# Altium PCB CPU-board-multi-Ethernnet.PcbDoc (part 3 of 3) (continued)
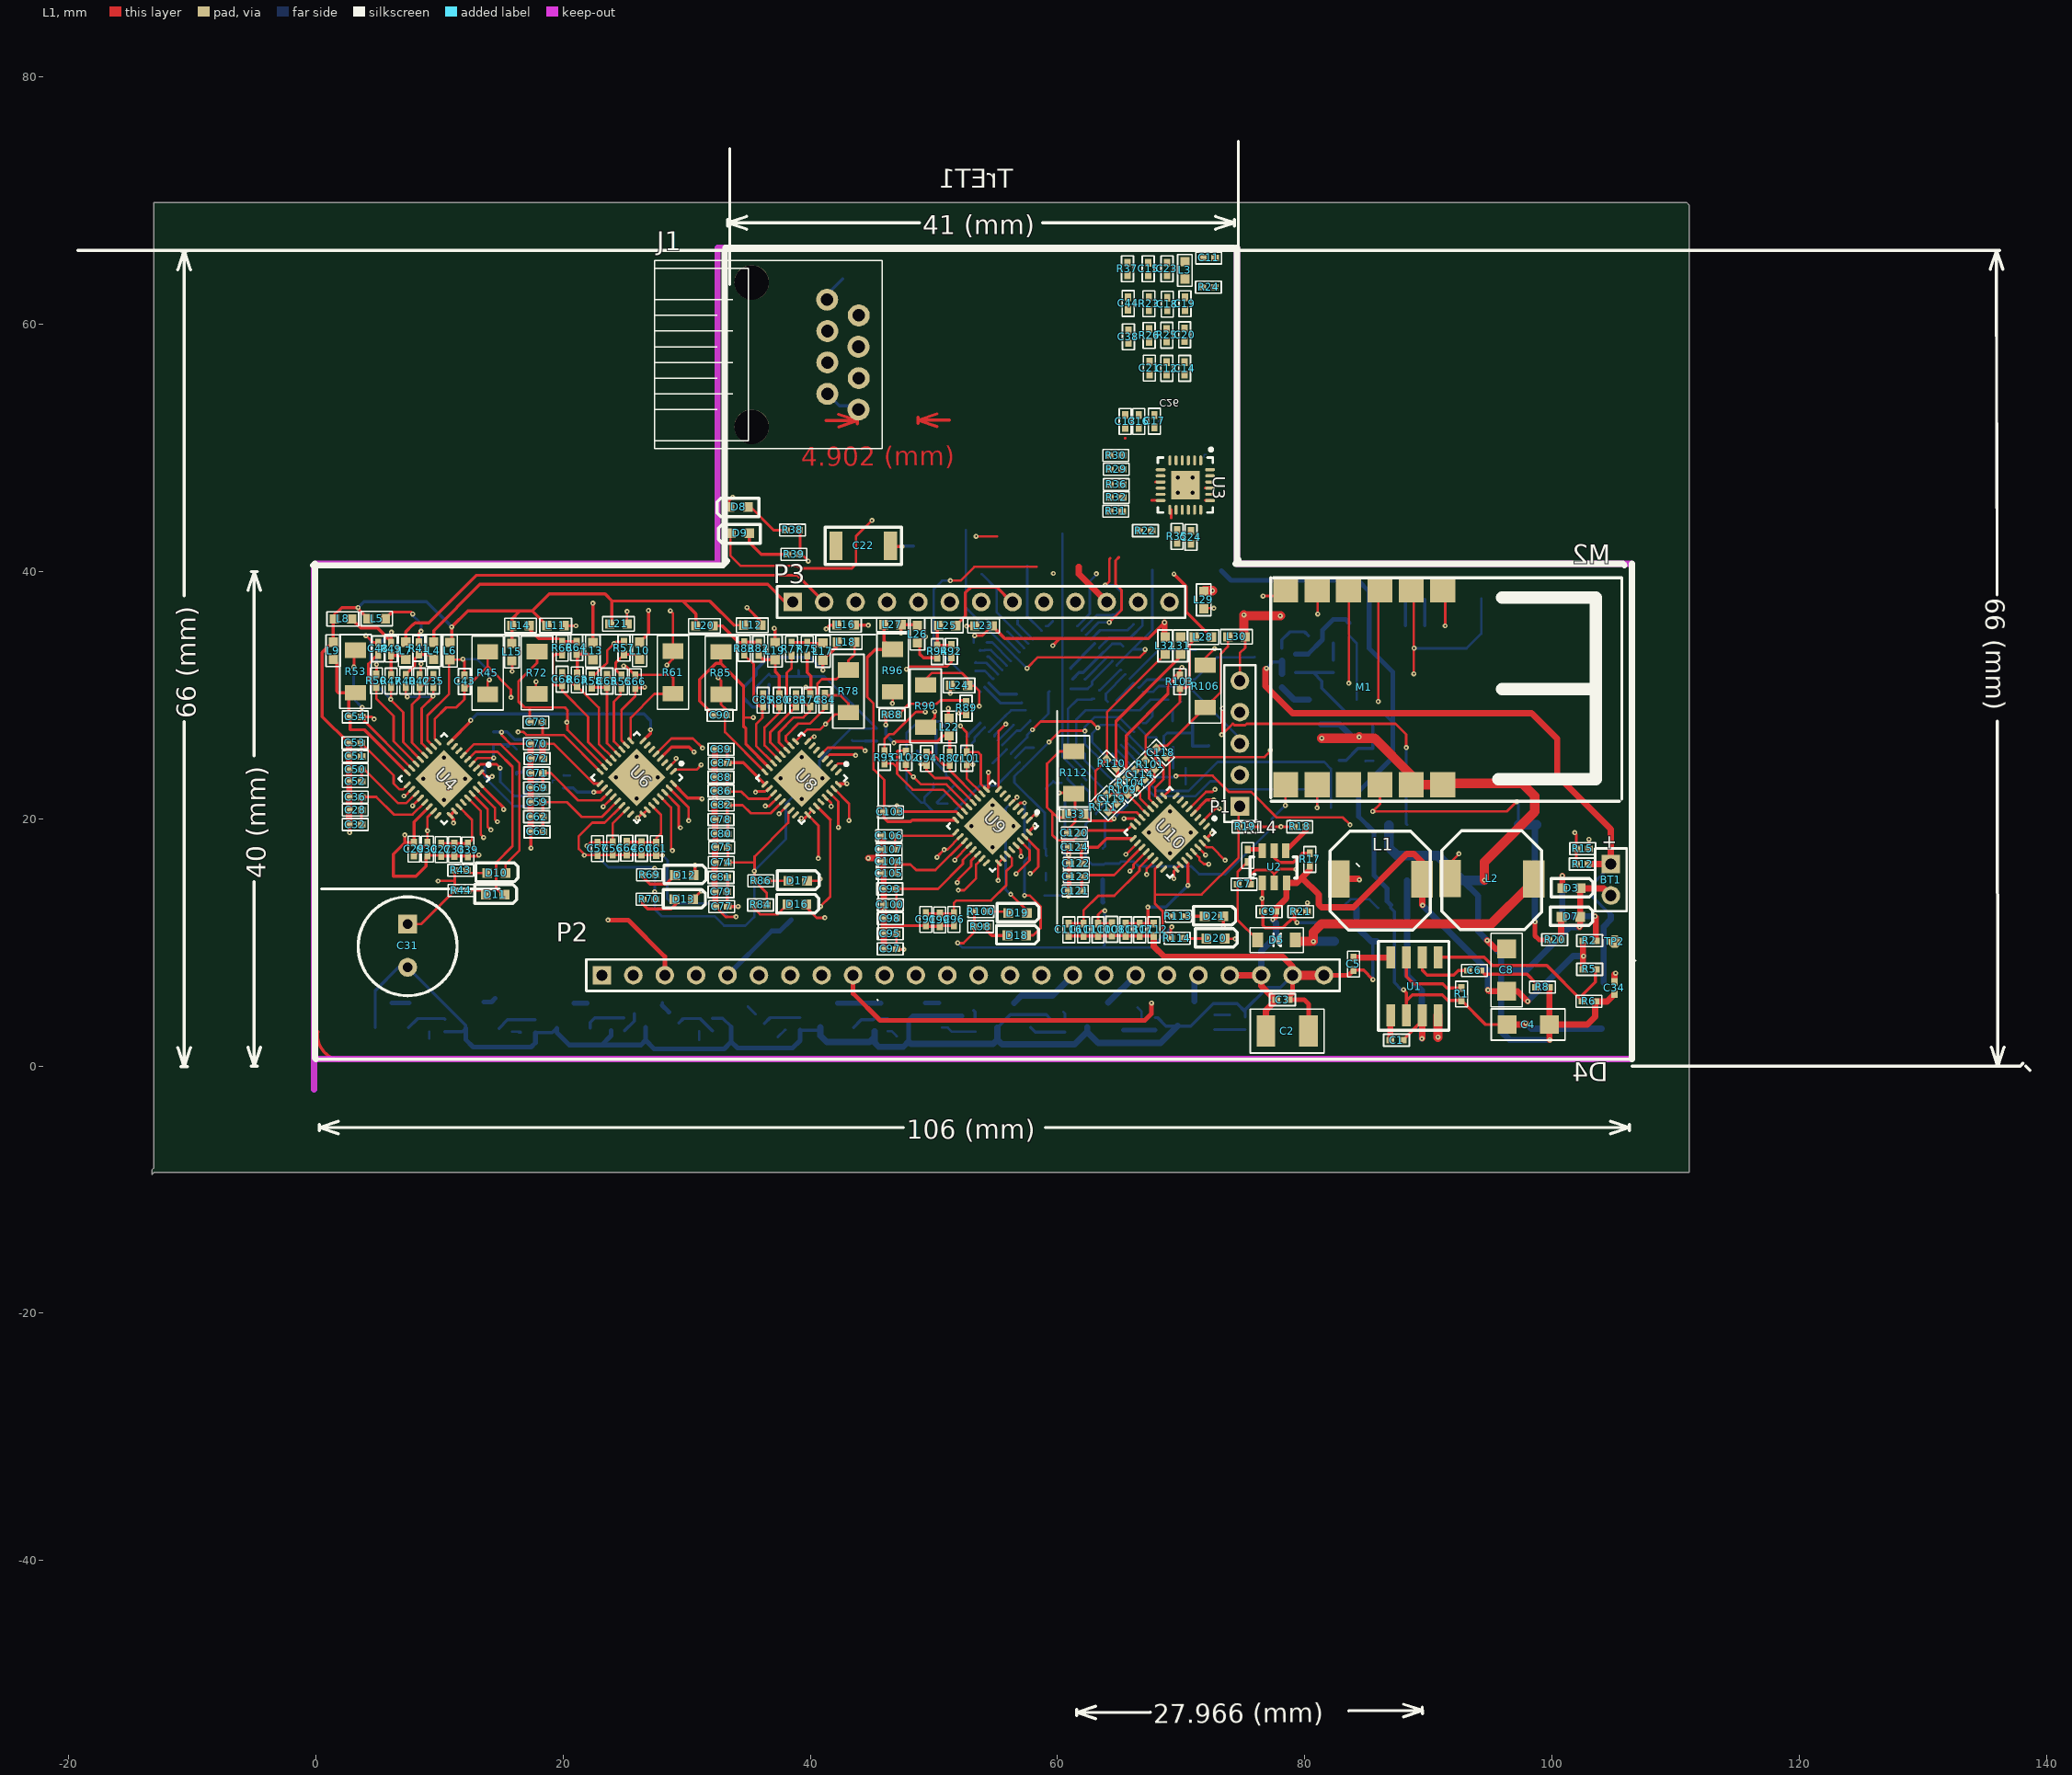
[diagram p0: L1 view]
## Nets (pads, with @x,y where several pads share a name; then routed paths per layer and width w, separated by ;. In a path a pad name is that pad's centre, name@x,y a point inside that pad or via, vN(x,y) a via of type N, cw(c..) or ccw(c..) an arc to the next point about the centre after c; other vN are vias at no path point) (continued)
NetR5_2: R5.2 R6.2 U1.5 | length 16.2
  L1 w0.254: U1.5@90.78,8.788 94.513,8.788 95.174,8.128 99.593,8.128 R6.2@102.489,5.232 102.489,5.766 103.53,6.807 R5.2@103.53,7.823
NetR12_1: R12.1 R15.2 U5.22 | length 42.5
  L1 w0.203: v1(69.576,23.449) 69.621,23.495 72.542,23.495 73.863,22.174 75.667,22.174 77.724,20.117 83.083,20.117 v3@83.668,19.533 ; v3(101.854,18.872) 101.981,18.745 R15.2@101.981,17.577 101.981,16.358 R12.1@101.956,16.332
  L3 w0.203: v3(83.668,19.507) 83.693,19.533 101.194,19.533 v3(101.854,18.872)
  L4 w0.203: U5.22@65.133,25.966 66.04,25.06 66.025,25.044 v6(65.989,25.044) 67.666,23.368 69.494,23.368 v1(69.576,23.449)
NetR13_2: R13.2 U5.33 | length 28
  L3 w0.203: v5(60.3,22.911) 60.579,22.631 69.469,22.631 71.755,24.917 84.658,24.917 v5(84.912,24.663)
  L4 w0.203: U5.33@59.052,22.431 59.662,23.04 59.792,22.911 v5(60.3,22.911) ; v5(84.912,24.663) 84.938,24.689 R13.2@85.522,24.689
NetR14_2: R14.2 U2.6 | length 1.1
  L1 w0.381: R14.2@75.387,17.526 U2.6@76.453,17.526
NetR17_1: R17.1 U2.5 | length 3.9
  L1 w0.254: U2.5@77.521,17.408 77.521,16.891 77.953,16.459 79.07,16.459 79.832,17.221 R17.1@80.416,17.221
NetR18_1: R18.1 R19.2 R21.2 | length 11.6
  L1 w0.254: R19.2@75.667,19.355 v2(78.08,19.355) R18.1@79.096,19.355 ; R21.2@80.188,12.497 80.188,13.183 v2(80.213,13.208)
  L2 w0.254: v2(78.08,19.355) 78.969,18.466 79.604,18.466 80.213,17.856 v2(80.213,13.208)
NetR18_2: R18.2 U2.4 | length 2.3
  L1 w0.381: U2.4@78.471,17.408 80.112,19.049
NetR22_1: R22.1 U3.12 U5.49 | length 19.3
  L1 w0.203: v1(51.333,39.268) 52.146,39.268 53.264,40.386 58.318,40.386 ; 67.609,45.765 U3.12@67.952,45.765
  L4 w0.203: v1(51.333,39.268) 50.673,39.268 49.987,38.583 49.987,34.041 U5.49@53.749,30.28
NetR28_2: R28.2 TrET1.11
NetR29_1: R29.1 U3.8
NetR29_2: R29.2 U5.61 | length 8.3
  L3 w0.203: 55.042,41.148 55.042,36.982 55.982,36.043 v5(56.769,36.043)
  L4 w0.203: v5(56.769,36.043) 56.769,35.745 U5.61@57.992,34.522
NetR30_1: R30.1 U3.7
NetR30_2: R30.2 U5.60 | length 9
  L2 w0.203: v6@53.848,39.802 53.848,40.945 54.285,41.382
  L4 w0.203: v6@53.873,39.802 55.067,38.608 55.067,36.739 U5.60@57.638,34.169
  other v6: 53.873,39.853
NetR31_1: R31.1 U3.11
NetR31_2: R31.2 U5.44 | length 16.5
  L2 w0.203: 55.728,40.132 57.556,38.303 57.556,34.728 55.313,32.484 55.313,29.904 56.439,28.778 v6(56.439,27.584)
  L4 w0.203: U5.44@55.163,26.32 55.174,26.32 v6(56.439,27.584)
NetR32_1: R32.1 U3.10
NetR32_2: R32.2 U5.64 | length 9.1
  L2 w0.203: 56.312,42.24 60.376,38.176 60.376,36.703 59.614,35.941 v6(59.614,35.992)
  L4 w0.203: U5.64@59.052,35.583 59.205,35.583 v6(59.614,35.992)
NetR33_2: R33.2 TrET1.8
NetR35_2: R35.2 U3.14 U5.63 | length 6.4
  L1 w0.203: 69.202,44.335 69.202,45.015
  L4 w0.203: 57.556,40.462 57.556,36.372 U5.63@58.699,35.229
NetR37_2: R37.2 U3.24
NetR48_1: R48.1 U5.59 | length 81.7
  L2 w0.203: v6(9.169,2.21) 9.169,3.073 11.989,5.893 12.09,5.893 12.09,21.209 11.384,21.915 11.384,34.422 v8(11.887,34.925)
  L3 w0.203: v8(11.887,34.925) 12.014,34.798 26.444,34.798 27.062,34.18 27.497,34.18 27.514,34.163 54.94,34.163 v5(55.931,35.154)
  L4 w0.203: v6(9.169,2.21) R48.1@9.169,2.769 ; v5(55.931,35.154) 55.946,35.154 U5.59@57.284,33.815
NetR54_1: R54.1 U5.58 | length 75.6
  L2 w0.203: v6(15.875,2.769) 16.637,2.769 19.152,5.283 v8(19.152,36.627)
  L3 w0.203: v8(19.152,36.627) 19.279,36.627 19.66,36.246 v5(54.204,36.246)
  L4 w0.203: v6(15.875,2.769) R54.1@16.51,2.769 ; R54.1@16.429,2.718 R54.1@16.561,2.718 ; v5(54.204,36.246) 54.204,36.17 56.912,33.462 U5.58@56.931,33.462
NetR60_1: R60.1 U5.55 | length 62.7
  L2 w0.254: v6(25.756,4.216) 25.756,4.242 24.765,4.242 24.46,4.547 24.46,9.093 25.298,9.931 25.298,30.226 25.476,30.404 25.476,32.08 26.822,33.426 27.051,33.426 v8(27.28,33.655)
  L3 w0.254: v8(27.28,33.655) 27.28,33.63 27.285,33.625 v5(53.744,33.625)
  L4 w0.203: v5@53.749,33.63 54.091,33.63 ; 54.112,33.65 54.621,33.65 U5.55@55.87,32.401
  L4 w0.254: R60.1@24.958,2.845 25.756,3.642 v6(25.756,4.216) ; v5(53.744,33.625) v5@53.749,33.63
NetR65_1: R65.1 U5.54 | length 58.9
  L2 w0.203: v8(29.642,31.928) 29.642,21.387 28.6,20.345 28.6,18.745 29.54,17.805 29.54,3.302 v6(30.861,1.981)
  L3 w0.203: v8(29.642,31.928) 29.718,31.928 30.836,33.045 30.836,33.122 v5(54.331,33.122)
  L4 w0.203: 31.013,2.134 R65.1@31.013,2.819 ; v5(54.331,33.122) 54.442,33.122 U5.54@55.517,32.047
NetR67_2: R67.2 U5.42 | length 19.8
  L3 w0.203: v5(54.737,24.486) 54.991,24.486 57.455,22.022 69.571,22.022 v5(70.358,22.809)
  L4 w0.203: v5@54.762,24.505 U5.42@55.87,25.613 ; v5(70.358,22.809) R67.2@70.358,24.105
NetR68_2: R68.2 U5.28 | length 12.9
  L4 w0.203: U5.28@63.012,23.845 63.012,23.916 62.205,24.723 62.205,25.273 61.519,25.959 61.519,28.042 62.255,28.778 66.65,28.778 67.513,29.642 R68.2@68.961,29.642
NetR73_1: R73.1 U5.53 | length 53.5
  L2 w0.203: v8(34.823,31.979) 34.79,31.945 34.79,3.31 35.763,2.337 v6(37.363,2.337)
  L3 w0.203: v8(34.823,31.979) 35.458,32.614 v5(53.34,32.614)
  L4 w0.203: v6(37.363,2.337) 37.948,2.921 R73.1@37.973,2.921 ; v5(53.34,32.614) 53.391,32.664 53.442,32.614 54.243,32.614 U5.53@55.163,31.694
NetR79_1: R79.1 U5.52 | length 41.6
  L2 w0.203: v8(45.237,31.572) 45.085,31.42 45.085,19.553 45.517,19.121 45.517,16.332 44.704,15.519 44.704,4.699 v6(46.99,2.413)
  L3 w0.203: v8(45.237,31.572) 52.971,31.572 v5(53.365,31.967)
  L4 w0.203: R79.1@46.253,2.819 46.584,2.819 v6(46.99,2.413) ; v5(53.365,31.967) 54.112,31.967 54.738,31.34 U5.52@54.81,31.34
NetR91_1: R91.1 U5.48 | length 25.2
  L2 w0.254: v6(52.773,26.655) 52.385,26.266 52.385,18.75 52.73,18.405 52.73,7.972 52.544,7.786 52.544,5.19 53.213,4.521 v6(53.213,4.496)
  L4 w0.254: v6(52.773,26.655) 52.67,26.655 U5.48@53.749,27.734 ; v6(53.213,4.496) 53.34,4.369 R91.1@53.34,3.785
NetR97_1: R97.1 U5.47 | length 30.4
  L2 w0.203: v6(53.086,26.111) 53.975,25.222 53.975,8.47 54.669,7.775 54.669,4.589 v8(54.813,4.445)
  L3 w0.203: v8(54.813,4.445) 60.401,4.445 v5(60.477,4.369)
  L4 w0.203: v6(53.086,26.111) 53.29,26.315 53.29,26.568 U5.47@54.102,27.38 ; v5(60.477,4.369) 60.604,4.242 R97.1@60.604,3.785
NetR102_1: R102.1 U5.21 | length 24.8
  L2 w0.203: v6(66.472,4.724) 65.532,4.724 65.049,5.207 65.049,8.382 66.599,9.931 v6(66.599,25.222)
  L4 w0.203: U5.21@65.487,26.32 66.584,25.222 v6(66.599,25.222) ; v6(66.472,4.724) 66.802,4.394 R102.1@66.802,3.912
NetR107_1: R107.1 U5.18 | length 28.6
  L2 w0.203: v6(68.021,26.543) 67.996,26.543 67.691,26.238 67.691,19.488 68.021,19.158 68.021,9.932 70.155,7.798 70.155,5.182 71.196,4.14 v6(72.72,4.14)
  L4 w0.203: U5.18@66.548,27.38 67.335,26.593 67.972,26.593 v6(68.021,26.543) ; v6(72.72,4.14) R107.1@73.939,4.14
NetU3_13: U3.13 U5.30 | length 20.7
  L4 w0.203: 60.393,43.045 60.393,25.05 U5.30@62.305,23.138
NetU3_16: U3.16 U5.1 | length 4.9
  L4 w0.203: U5.1@61.598,35.583 62.611,36.596 62.611,39.218 63.144,39.751 v1(63.144,39.827)
NetU3_17: U3.17 U5.2 | length 9.2
  L1 w0.203: v1(63.856,38.887) 64.199,39.231 64.199,41.009 64.275,41.084
  L4 w0.203: U5.2@61.951,35.229 63.214,36.491 64.417,36.491 64.426,36.5 64.668,36.5 65.202,37.033 65.202,38.303 64.618,38.887 v1(63.856,38.887)
NetU3_18: U3.18 U5.3 | length 8.3
  L1 w0.203: v1(64.186,35.89) 65.176,36.881 65.176,38.506 64.699,38.984 64.699,40.899 64.973,41.173
  L4 w0.203: U5.3@62.305,34.876 63.319,35.89 v1(64.186,35.89)
NetU4_1: U4.1 U6.2 | length 18.3
  L1 w0.203: U4.1@13.333,23.736 13.475,23.736 13.792,23.419 v3(14.249,23.419) ; U6.2@28.575,24.191 29.159,24.775 29.159,24.892 v3(29.134,24.892)
  L3 w0.203: v3(14.249,23.419) 19.507,23.419 20.213,22.713 21.773,22.713 23.343,24.282 27.254,24.282 28.092,25.121 28.905,25.121 v3(29.134,24.892)
NetU4_8: U4.8 U5.45 U6.8 U8.8 U9.8 | length 56.3
  L1 w0.203: U8.8@39.789,26.262 v3@40.172,26.645 ; U9.8@55.232,22.375 55.232,27.089 v1(55.804,27.661)
  L1 w0.254: U4.8@10.858,26.211 12.522,27.875 v1(12.522,27.965) ; U6.8@26.454,26.312 27.076,26.935 v1(27.076,27.203) ; v3@40.234,26.645 v3(40.31,26.645)
  L3 w0.203: v3(40.31,26.645) 40.513,26.848 52.255,26.848 52.565,27.158 55.301,27.158 v1(55.804,27.661)
  L3 w0.254: v1(27.076,27.203) 39.903,27.203 40.31,26.797 v3(40.31,26.645)
  L4 w0.203: U5.45@54.881,26.673 U5.45@54.913,26.705 ; U5.45@54.881,26.737 v1(55.804,27.661)
  L4 w0.254: v1(12.522,27.965) 13.03,28.473 26.543,28.473 27.076,27.94 v1(27.076,27.203)
NetU4_29: U4.29 U5.8 | length 61.4
  L1 w0.203: U4.29@12.272,21.685 13.335,20.623 13.335,18.72 v3(13.564,18.491)
  L3 w0.203: v3(13.564,18.491) 13.746,18.308 29.291,18.308 30.023,17.577 49.098,17.577 v10(49.428,17.907)
  L1-2 w0.203: v10(49.428,17.907) 61.747,30.226 61.747,30.836 v9(62.205,31.293)
  L4 w0.203: v9(62.205,31.293) 62.257,31.293 U5.8@64.073,33.108
NetU4_30: U4.30 U5.4 U6.30 U8.30 U9.30 U10.30 | length 107.9
  L1 w0.203: U4.30@12.626,22.039 13.889,20.776 13.889,19.36 v3(14.148,19.101) ; U6.30@28.222,22.141 29.356,21.006 v3@29.356,19.302 ; U8.30@41.557,22.09 42.263,21.384 42.263,19.307 v3(42.266,19.304) ; v3(56.642,15.545) 57.734,16.637 57.734,17.469 U9.30@57,18.204 ; U10.30@71.351,17.702 v2(71.984,17.069)
  L2 w0.203: v6(66.142,35.738) 68.402,33.477 68.402,27.737 69.139,27 69.139,24.206 68.402,23.47 68.402,20.117 71.45,17.069 v2(71.984,17.069)
  L3 w0.203: v3(14.148,19.101) 14.326,18.923 29.032,18.923 29.362,19.253 29.718,19.253 30.607,18.364 41.224,18.364 v3@42.164,19.304 ; v3(42.266,19.304) 49.809,19.304 53.569,15.545 v3(56.642,15.545) 56.642,15.011 57.358,14.295 58.679,14.295 61.138,11.836 70.688,11.836 72.669,13.818 v10(72.669,13.843)
  L1-2 w0.203: v2(71.984,17.069) 71.374,16.434 71.374,15.138 v10(72.669,13.843)
  L4 w0.203: U5.4@62.658,34.522 62.716,34.522 63.449,35.255 65.659,35.255 v6(66.142,35.738)
  other v3: 29.489,19.279
NetU4_31: U4.31 U5.6 U6.31 U8.31 U9.31 U10.31 | length 112
  L1 w0.203: U4.31@12.979,22.392 12.979,22.377 14.478,20.879 14.478,19.964 v3(14.681,19.761) ; U6.31@28.575,22.494 30.15,20.919 v3(30.15,19.837) ; U8.31@41.91,22.443 43.124,21.229 43.124,19.868 v3(43.129,19.863) ; U9.31@57.353,18.557 58.4,17.51 58.436,17.51 58.436,16.119 57.887,15.57 v3(57.785,15.57) ; U10.31@71.704,18.049 72.05,17.704 72.492,17.704 v8(73.558,16.637)
  L2 w0.203: v8(73.152,35.992) 71.882,34.722 71.882,32.08 71.628,31.826 71.628,21.336 73.558,19.406 v8(73.558,16.637)
  L3 w0.203: v3(14.681,19.761) 14.879,19.563 28.123,19.563 28.397,19.837 v3(30.15,19.837) 32.741,19.837 33.63,18.948 40.528,18.948 41.402,19.822 ; 41.402,19.837 v3@43.129,19.837 ; v3(43.129,19.863) 51.105,19.863 54.813,16.154 57.125,16.154 57.709,15.57 v3(57.785,15.57) 58.445,14.91 62.078,14.91 62.962,14.026 71.836,14.026 73.558,15.748 v8(73.558,16.637) ; v5(66.827,36.17) 67.081,36.424 72.72,36.424 v8(73.152,35.992)
  L4 w0.203: U5.6@63.366,33.815 64.211,34.661 65.903,34.661 66.878,35.636 66.878,36.17 v5(66.827,36.17)
  other v2: 73.558,16.637
NetU4_32: U4.32 U5.5 U6.32 U8.32 U9.32 U10.32 | length 85.4
  L1 w0.203: U4.32@13.333,22.746 14.884,21.195
  L1 w0.254: 14.884,21.195 14.884,21.184 15.189,20.879 v3(15.189,20.752) ; U6.32@28.929,22.848 30.085,21.692 31.166,21.692 v3(31.242,21.615) ; U8.32@42.264,22.797 42.301,22.835 v3(42.951,22.835) ; U9.32@57.707,18.997 v3(58.166,19.456) ; U10.32@72.058,18.403 72.492,18.836 v3(72.492,18.847)
  L2 w0.254: v8(59.893,19.558) 59.568,19.883 59.568,25.329 59.893,25.654 59.893,31.013 v6(61.062,32.182)
  L3 w0.203: v3(15.189,20.752) 26.213,20.752 26.619,21.158 30.785,21.158 v3(31.242,21.615) 32.131,22.504 42.621,22.504 v3(42.951,22.835) ; v3(58.166,19.456) 58.75,19.456 59.614,20.32 61.595,20.32 62.611,19.304 66.907,19.304 67.285,19.682 67.285,19.736 71.603,19.736 ; 59.385,20.015 59.842,19.558 v8(59.893,19.558)
  L3 w0.254: v3(42.951,22.835) 54.28,22.835 57.658,19.456 v3(58.166,19.456) ; 71.603,19.736 v3(72.492,18.847)
  L4 w0.254: v6(61.062,32.182) 61.062,32.218 U5.5@63.012,34.169
NetU5_11: U5.11 U6.29 | length 48.7
  L1 w0.203: U6.29@27.868,21.787 28.727,20.928 28.727,17.526 v3(28.829,17.424)
  L3 w0.203: v3(28.829,17.424) 29.388,16.866 34.341,16.866 34.9,16.307 48.641,16.307 v10(49.2,16.866)
  L1-2 w0.203: v10(49.2,16.866) 55.41,23.076 56.604,23.076 58.788,25.26 58.788,26.454 62.738,30.404 v9(63.373,30.404)
  L4 w0.203: v9(63.373,30.404) 63.419,30.404 65.062,32.047 U5.11@65.133,32.047
NetU5_12: U5.12 U8.29 | length 37
  L1 w0.203: U8.29@41.23,21.736 41.681,21.285 v3(41.681,21.006)
  L2 w0.203: v11(60.096,24.359) 60.427,24.689 61.087,24.689 61.087,27.026 61.112,27.026 63.119,29.032 63.627,29.032 v6@63.995,29.4
  L3 w0.203: v3(41.681,21.006) 42.57,21.006 43.434,21.869 52.73,21.869 56.058,18.542 59.182,18.542 v10(59.538,18.898)
  L1-2 w0.203: v10(59.538,18.898) 59.538,18.948 59.258,19.228 59.258,23.52 v11(60.096,24.359) v11@60.096,24.257
  L4 w0.203: v6(64.059,29.464) 63.906,29.616 63.906,30.113 U5.12@65.487,31.694
NetU5_13: U5.13 U10.29 | length 26.6
  L1 w0.203: U10.29@70.997,17.342 71.476,16.864 71.476,16.688 71.831,16.332 v2(72.238,16.332)
  L2 w0.203: v6(71.171,33.706) 71.171,21.031 73.076,19.126 73.076,17.145 72.263,16.332 v2(72.238,16.332)
  L4 w0.203: U5.13@65.84,31.34 68.181,33.68 71.196,33.68 v6(71.171,33.706)
NetU5_14: U5.14 U9.29 | length 20.2
  L1 w0.203: U9.29@56.646,17.85 57.023,17.473 57.023,16.993 v4(57.048,16.967)
  L1-2 w0.203: v4@57.048,16.819 58.201,16.819 59.413,18.031 60.195,18.031 62.185,20.021 62.185,20.803 64.77,23.388 v9(64.77,29.591)
  L4 w0.203: v9(64.77,29.591) 66.166,30.987 U5.14@66.194,30.987
NetU5_17: M2.8 U5.17 | length 32.4
  L1 w0.203: v1(73.279,26.797) v1@73.355,26.873 ; v3(73.355,28.931) v1@73.355,26.873 ; v1(88.214,25.756) 88.214,26.822 87.351,27.686 75.297,27.686 75.187,27.576 74.317,27.576 74.207,27.686 74.168,27.686 v1@73.355,26.873
  L3 w0.203: v5(67.691,28.88) 73.304,28.88 v3(73.355,28.931)
  L4 w0.203: U5.17@66.901,27.734 67.129,27.734 67.678,28.283 67.678,28.867 v5(67.691,28.88) ; v1(88.214,25.756) 88.214,19.59 M2.8@88.283,19.521
NetU5_18: 
NetU5_21: 
NetU5_27: U5.27 U7.1 | length 7.8
  L4 w0.203: U5.27@63.366,24.198 65.024,22.54 65.024,21.234 63.83,20.041 63.83,17.767 U7.1@63.666,17.602
NetU5_47: 
NetU6_1: U6.1 U8.2 | length 15.7
  L1 w0.203: U6.1@28.929,23.838 29.069,23.978 30.784,23.978 v3(31.165,24.359) ; U8.2@41.91,24.14 42.23,24.46 v3(42.901,24.46)
  L3 w0.203: v3(31.165,24.359) 31.266,24.46 37.897,24.46 38.329,24.028 40.564,24.028 40.996,24.46 v3(42.901,24.46)
NetU8_1: U8.1
NetU9_1: U9.1 U10.2 | length 18.1
  L1 w0.203: U9.1@57.707,19.901 58.152,20.345 v3(58.293,20.345) ; U10.2@71.704,19.746 72.786,20.828 v3(73.101,20.828)
  L3 w0.203: v3@58.242,20.345 v3(58.293,20.345) ; v3@58.268,20.371 58.953,21.057 65.913,21.057 66.218,21.361 70.231,21.361 70.764,20.828 v3(73.101,20.828)
NetU9_2: U9.2
U4Formalnet: U4.33
  other v7: 10.363,21.544 8.666,23.241 12.06,23.241 10.363,24.938
U6F0rmlNet: U6.33
  other v7: 25.959,21.646 24.262,23.343 27.656,23.343 25.959,25.04
U8FormlNet: U8.33
  other v7: 39.294,21.595 37.597,23.292 40.991,23.292 39.294,24.989
U9FormlNet: U9.33
  other v7: 54.737,17.709 53.04,19.406 56.434,19.406 54.737,21.103
U10FormlNet: U10.33
  other v7: 69.088,17.201 67.391,18.898 70.785,18.898 69.088,20.595
VCC=3.3V: C13.1 C15.1 C23.1 C29.1 C30.1 C31.1 C34.1 C37.1 C38.2 C40.1 C41.1 C44.1 C45.1 C56.1 C57.2 C74.1 C75.1 C95.1 C97.1 C108.1 C110.1 L3.1 M1.10 M2.1 M2.2 P1.1 R19.1 R20.1 R22.2 R36.2 R38.2 R39.2 R43.2 R44.2 R59.2 R69.1 R70.1 R84.2 R86.2 R98.2 R100.2 R113.2 R114.2 TrET1.2 TrET1.5 U3.9 U4.23 U5.10 U5.19 U5.26 U5.38 U5.57 U6.23 U7.8 U8.23 U9.23 U10.23 | length 317.1
  L1 w0.203: C31.1@7.417,11.481 8.509,11.481 R44.2@11.227,14.199 11.227,14.986 ; C29.1@7.925,17.043 8.001,17.043 C30.1@9.017,18.059 v3(9.017,19.025) 9.017,20.127 U4.23@9.515,20.625 ; v4(9.881,14.961) 9.906,14.986 11.227,14.986 ; R43.2@11.227,15.773 11.227,14.986 ; v1(21.92,17.805) 22.2,18.085 C57.2@22.784,18.085 ; C57.2@22.809,18.11 C56.1@24.003,18.11 24.003,19.609 U6.23@25.11,20.716 ; R70.1@27.407,13.538 v1(27.407,14.097) ; R69.1@27.407,15.545 v1(27.407,16.002) ; C74.1@33.299,16.459 35.484,16.459 ; C74.1@33.325,16.485 C75.1@33.325,17.678 ; v1(35.458,15.773) v1@35.484,15.773 ; R84.2@36.474,13.03 36.474,13.995 R86.2@35.484,14.986 v1@35.484,15.773 ; U8.23@38.445,20.676 38.215,20.445 38.215,19.673 35.484,16.942 35.484,16.459 ; R38.2@39.065,43.358 39.167,43.256 R39.2@39.167,41.402 ; R39.2@39.268,41.402 v3(39.827,40.843) ; C95.1@46.965,10.693 C97.1@46.965,9.474 47.015,9.423 v2(47.549,9.423) ; v1(51.918,9.957) 51.93,9.944 52.387,9.944 53.264,10.82 R98.2@53.264,11.278 53.264,12.471 R100.2@53.289,12.497 ; v4@51.981,14.211 52.438,14.211 53.411,15.184 53.411,16.312 U9.23@53.888,16.789 ; v2(53.416,42.85) 55.118,42.85 ; v3(57.531,32.182) 58.42,33.071 66.675,33.071 67.081,33.477 v1(67.081,33.706) ; v1(59.309,26.213) 60.223,27.127 62.179,27.127 v1(62.205,27.102) ; v1(63.83,12.548) 63.576,12.548 63.271,12.243 C110.1@63.271,11.532 63.297,11.557 C108.1@64.389,11.557 ; 67.93,47.244 U3.9@67.952,47.265 ; U10.23@68.239,16.281 67.869,15.911 67.869,13.868 ; v1@69.164,11.176 R114.2@69.164,10.338 68.504,10.998 68.504,12.522 ; R113.2@69.266,12.116 68.936,12.116 68.504,12.548 68.504,12.522 ; P1.1@74.651,20.904 R19.1@74.651,19.355 74.651,16.866 71.653,13.868 67.869,13.868 ; M1.10@86.081,22.758 86.081,21.184 v4(85.496,20.599) 96.368,20.599 v1(97.155,21.387) ; v1@35.484,15.773 35.484,16.459 ; 67.869,13.868 67.869,13.157 68.504,12.522
  L1 w0.381: v1(98.628,11.659) 98.628,10.541 98.958,10.211 R20.1@99.72,10.211
  L1 w0.508: C34.1@105.054,6.799 v2@105.054,7.417
  L2 w0.203: v6(39.04,32.004) 39.751,32.715 39.751,40.234 ; v3(39.827,40.843) 39.751,40.767 39.751,40.234 ; v2(47.549,9.423) 51.664,9.423 51.918,9.677 v1(51.918,9.957) ; v2(53.416,42.85) 53.416,41.707 51.943,40.234 39.751,40.234 ; v3(57.531,32.182) 58.466,31.247 58.466,27.056 v1(59.309,26.213)
  L2 w0.508: v1(98.628,11.659) 100.305,9.982 102.692,9.982 v2(105.156,7.518)
  L3 w0.203: v3(9.017,19.025) 10.363,19.025 11.4,17.988 11.608,17.988 11.608,16.764 12.217,16.154 19.355,16.154 21.006,17.805 v1(21.92,17.805)
  L1-2 w0.203: v3(9.017,19.025) 9.627,19.025 9.881,18.771 v4(9.881,14.961) ; v2(47.549,9.423) 47.701,9.423 51.968,13.691 v4@51.968,14.122 ; v4(51.968,14.224) v4@51.968,14.122 ; v9(59.109,17.015) 59.109,16.868 58.288,16.048 58.288,15.189 58.115,15.016 56.104,15.016 55.032,13.945 52.146,13.945 v4@51.968,14.122 ; P1.1@74.752,21.006 76.302,21.006 77.089,20.218 85.115,20.218 v4(85.496,20.599)
  L4 w0.203: v1(21.92,17.805) 23.647,16.078 27.33,16.078 v1(27.407,16.002) v1(27.407,14.097) 27.407,12.675 27.965,12.116 32.258,12.116 C41.1@32.283,12.09 33.02,11.354 34.747,11.354 35.458,12.065 v1(35.458,15.773) 38.024,18.339 38.024,21.215 40.73,23.922 40.73,24.728 43.307,27.305 C40.1@44.425,27.305 C37.1@45.364,27.305 41.143,31.526 39.065,31.526 ; R59.2@35.56,30.302 35.56,30.607 C45.1@36.652,31.699 36.825,31.526 39.065,31.526 ; v6(39.04,32.004) 39.04,31.928 39.065,31.902 39.065,31.526 ; v1(51.918,9.957) 52.299,9.576 63.627,9.576 ; 52.578,43.358 52.578,37.107 U5.57@56.577,33.108 57.504,32.182 v3(57.531,32.182) ; U7.8@58.966,17.602 58.966,20.486 56.515,22.936 56.515,23.429 U5.38@57.284,24.198 59.299,26.213 v1(59.309,26.213) ; U7.8@59.055,17.577 59.055,17.069 v9(59.109,17.015) ; U5.26@63.719,24.552 63.713,24.552 62.205,26.06 v1(62.205,27.102) 62.205,27.432 62.992,28.219 65.001,28.219 U5.19@66.194,27.027 ; v1(63.83,12.548) 63.805,12.522 63.805,9.754 63.627,9.576 ; U5.10@64.78,32.401 66.085,33.706 ; v1(67.081,33.706) 66.085,33.706 ; 67.666,40.132 67.666,35.287 66.085,33.706 ; v1(69.24,11.252) 67.564,9.576 63.627,9.576 ; v1(97.155,21.387) 97.283,21.258 M2.2@97.283,19.521
  L4 w0.508: v1(98.628,11.659) M2.1@98.628,19.365
  L4 w0.762: M2.2@97.283,19.521 M2.1@98.783,19.521
  other v5: 57.531,32.182
VCC=5V: C2.1 C3.1 C8.1 C9.1 L1.2 P2.21 P2.22 R2.1 R5.1 R17.2 U2.3 | length 56.6
  L1 w0.508: P2.21@73.939,7.341 P2.22@76.479,7.341 76.479,6.477 77.597,5.359 C3.1@77.699,5.359 76.86,4.521 C2.1@76.86,2.819 ; 77.622,12.04 C9.1@77.622,12.497 77.622,12.7 78.521,13.598 U2.3@78.521,14.808 79.35,14.808 79.769,15.227 ; R17.2@80.416,16.205 80.416,15.875 79.769,15.227 ; v1(89.535,13.005) 89.503,13.037 L1.2@89.503,15.113 89.503,16.491 88.849,17.145 88.24,17.145 83.947,12.852 81.356,12.852 81.128,13.081 81.128,13.868 79.769,15.227 ; v1(94.818,6.147) 94.92,6.045 C8.1@96.342,6.045 97.231,6.045 v1(98.044,5.232) ; R5.1@102.514,7.823 R2.1@102.514,10.109
  L4 w0.508: P2.22@76.479,7.341 76.479,9.296 77.673,10.49 77.673,11.582 v1(77.419,11.836) ; v1(89.535,13.005) 94.818,7.722 v1(94.818,6.147) ; v1(98.044,5.232) 101.702,8.89 v1(102.565,8.89)
VDD=3.3V: 
pads on no net: D6.NC J1.A J1.B M1.9 M2.3 M2.4 M2.5 M2.6 M2.7 M2.10 M2.13 M2.14 M2.16 M2.17 M2.18 R16.2 R35.1 TP2.1 U1.4@88.77,6.489 U1.10 U1.11 U1.12 U1.13 U1.14 U1.15 U1.16 U1.17 U4.6 U4.7 U4.24 U4.28 U5.34 U5.35 U5.36 U5.37 U5.62 U6.3 U6.6 U6.7 U6.24 U6.28 U7.7 U8.3 U8.6 U8.7 U8.24 U8.28 U9.3 U9.6 U9.7 U9.24 U9.28 U10.1 U10.3 U10.6 U10.7 U10.8 U10.24 U10.28
copper on no net: | length 15.7
  L1 w0.254: 0.152,2.794 ccw(c2.172,2.502) 1.88,0.483 ; 41.275,52.209 43.815,52.222 ; 42.288,52.722 43.815,52.222 ; 42.294,51.707 43.815,52.222 ; 43.814,52.476 43.816,51.968 ; 48.716,52.502 48.719,51.994 ; 50.239,52.764 48.717,52.248 ; 50.244,51.748 48.717,52.248 ; 51.257,52.261 48.717,52.248

## Keep-outs
Keep-Out Layer:
  lines w0.5: -0.152,-1.905 -0.152,40.31 ; -0.076,40.64 32.487,40.64 32.487,66.218 74.524,66.218 74.524,40.64 106.477,40.64 106.477,0.559 0,0.559

## Other copper
L1:
  text "4.902 (mm)" at 39.277,48.542 h1.52 r0.3

## Silkscreen, mask and mechanical layers (free items; w line width, h text height)
Top Overlay:
  lines w0.127: 5.563,34.9 45.263,34.9 ; 45.415,5.359 45.466,5.309 ; 45.491,10.312 45.491,24.613 ; 59.969,28.727 59.969,10.846 60.046,10.77 ; 84.176,16.383 84.43,16.129
  lines w0.254: -19.268,66 135.973,66 ; -11.176,1.469 -10.668,-0.055 ; -11.176,64.421 -10.668,65.945 ; -10.922,-0.055 -10.414,-0.055 ; -10.922,65.945 -10.414,65.945 ; -10.668,27.841 -10.668,-0.055 ; -10.668,38.049 -10.668,65.945 ; -10.16,1.469 -10.668,-0.055 ; -10.16,64.421 -10.668,65.945 ; -5.508,1.524 -5,0 ; -5.508,38.476 -5,40 ; -5.254,0 -4.746,0 ; -5.254,40 -4.746,40 ; -5,14.896 -5,0 ; -5,25.104 -5,40 ; -4.492,1.524 -5,0 ; -4.492,38.476 -5,40 ; 0,0.559 106.477,0.559 ; 0.262,-5.233 0.262,-4.725 ; 0.457,14.326 14.808,14.326 ; 1.786,-5.487 0.262,-4.979 ; 1.786,-4.471 0.262,-4.979 ; 33.321,67.97 33.321,68.478 ; 33.476,63.245 33.476,74.219 ; 34.845,67.716 33.321,68.224 ; 34.845,68.732 33.321,68.224 ; 47.523,-4.979 0.262,-4.979 ; 48.844,68.224 33.321,68.224 ; 58.798,68.224 74.321,68.224 ; 59.001,-4.979 106.262,-4.978 ; 61.547,-52.059 61.55,-52.567 ; 63.069,-51.795 61.548,-52.313 ; 63.076,-52.811 61.548,-52.313 ; 67.507,-52.275 61.548,-52.313 ; 72.797,67.716 74.321,68.224 ; 72.797,68.732 74.321,68.224 ; 74.321,67.97 74.321,68.478 ; 74.625,40.97 74.625,74.803 ; 78.791,19.812 78.816,19.837 ; 83.555,-52.173 89.514,-52.135 ; 87.987,-51.637 89.514,-52.135 ; 87.993,-52.653 89.514,-52.135 ; 89.512,-51.881 89.515,-52.389 ; 104.738,-5.486 106.262,-4.978 ; 104.738,-4.47 106.262,-4.978 ; 106.262,-5.232 106.262,-4.724 ; 106.477,0 137.897,0 138.125,0.229 ; 135.467,64.475 135.973,66 ; 135.566,1.523 136.076,0 ; 135.719,66 136.227,66 ; 135.822,0 136.33,0 ; 136.017,38.104 135.973,66 ; 136.032,27.896 136.076,0 ; 136.483,64.477 135.973,66 ; 136.582,1.525 136.076,0 ; 138.328,0 138.684,-0.356
  lines w0.5: -0.229,40.513 32.918,40.513 33.172,40.767 ; -0.076,40.64 -0.076,0.635 0,0.559 ; 33.071,65.837 33.071,40.869 33.172,40.767 ; 33.147,66.218 74.244,66.218 74.524,65.938 ; 33.274,40.869 33.172,40.767 ; 74.524,41.072 74.625,40.97 ; 74.524,66.218 74.524,40.767 74.397,40.64 105.74,40.64 105.867,40.513 ; 106.477,0.559 106.477,40.64
  text "41 (mm)" at 49.098,67.31 h1.52
  text "66 (mm)" at 135.103,37.848 h1.52 r270.09
  text "66 (mm)" at -9.754,28.095 h1.52 r90
  text "40 (mm)" at -4.086,15.15 h1.52 r90
  text "106 (mm)" at 47.777,-5.893 h1.52
  text "27.966 (mm)" at 67.767,-53.188 h1.52 r0.36
Bottom Overlay:
  lines w0.254: -8.839,1.342 -8.331,-0.182 ; -8.839,64.294 -8.331,65.818 ; -8.585,-0.182 -8.077,-0.182 ; -8.585,65.818 -8.077,65.818 ; -8.331,27.714 -8.331,-0.182 ; -8.331,37.922 -8.331,65.818 ; -7.823,1.342 -8.331,-0.182 ; -7.823,64.294 -8.331,65.818 ; -5.105,1.563 -4.597,0.039 ; -5.105,38.515 -4.597,40.039 ; -4.902,40.767 -4.572,40.437 -0.076,40.437 ; -4.851,0.039 -4.343,0.039 ; -4.851,40.039 -4.343,40.039 ; -4.597,14.935 -4.597,0.039 ; -4.597,25.143 -4.597,40.039 ; -4.089,1.563 -4.597,0.039 ; -4.089,38.515 -4.597,40.039 ; 0,-4.394 0,-3.886 ; 1.523,-3.629 0,-4.14 ; 1.525,-4.645 0,-4.14 ; 32.487,41.046 32.487,81.585 ; 32.85,76.759 32.85,77.267 ; 33.357,65.818 -8.331,65.818 ; 34.374,76.505 32.85,77.013 ; 34.374,77.521 32.85,77.013 ; 47.261,-4.05 0,-4.14 ; 48.373,77.013 32.85,77.013 ; 58.327,77.013 73.85,77.013 ; 58.739,-4.028 106,-3.937 ; 72.326,76.505 73.85,77.013 ; 72.326,77.521 73.85,77.013 ; 73.85,76.759 73.85,77.267 ; 74.27,68.453 74.27,41.046 74.676,40.64 ; 74.473,40.64 74.473,79.908 ; 104.475,-3.432 106,-3.937 ; 104.477,-4.448 106,-3.937 ; 106,-3.683 106,-4.191
  lines w0.5: -0.076,0.406 -0.076,40.437 0.127,40.64 32.182,40.64 32.385,40.843 32.385,66.218 74.574,66.218 ; 0.127,0.508 106.528,0.508 106.299,0.737 106.299,40.208 105.867,40.64 74.473,40.64
  text "41 (mm)" at 48.627,76.099 h1.52
  text "66 (mm)" at -7.417,27.968 h1.52 r90
  text "40 (mm)" at -3.683,15.189 h1.52 r90
  text "106 (mm)" at 47.517,-4.963 h1.52 r0.11
Mechanical 1:
  lines w0.254: 0.076,0.787 -0.051,0.66 106.172,0.66 106.35,0.483 ; 31.064,53.137 31.242,53.315

## Text inside footprints (layer, text, board x,y; h text height)
BT1: Top Overlay "+" at 104.198,18.732 h1.15 r270